# Altium PCB MB1272C_PMIC.PcbDoc (part 2 of 10) (continued)
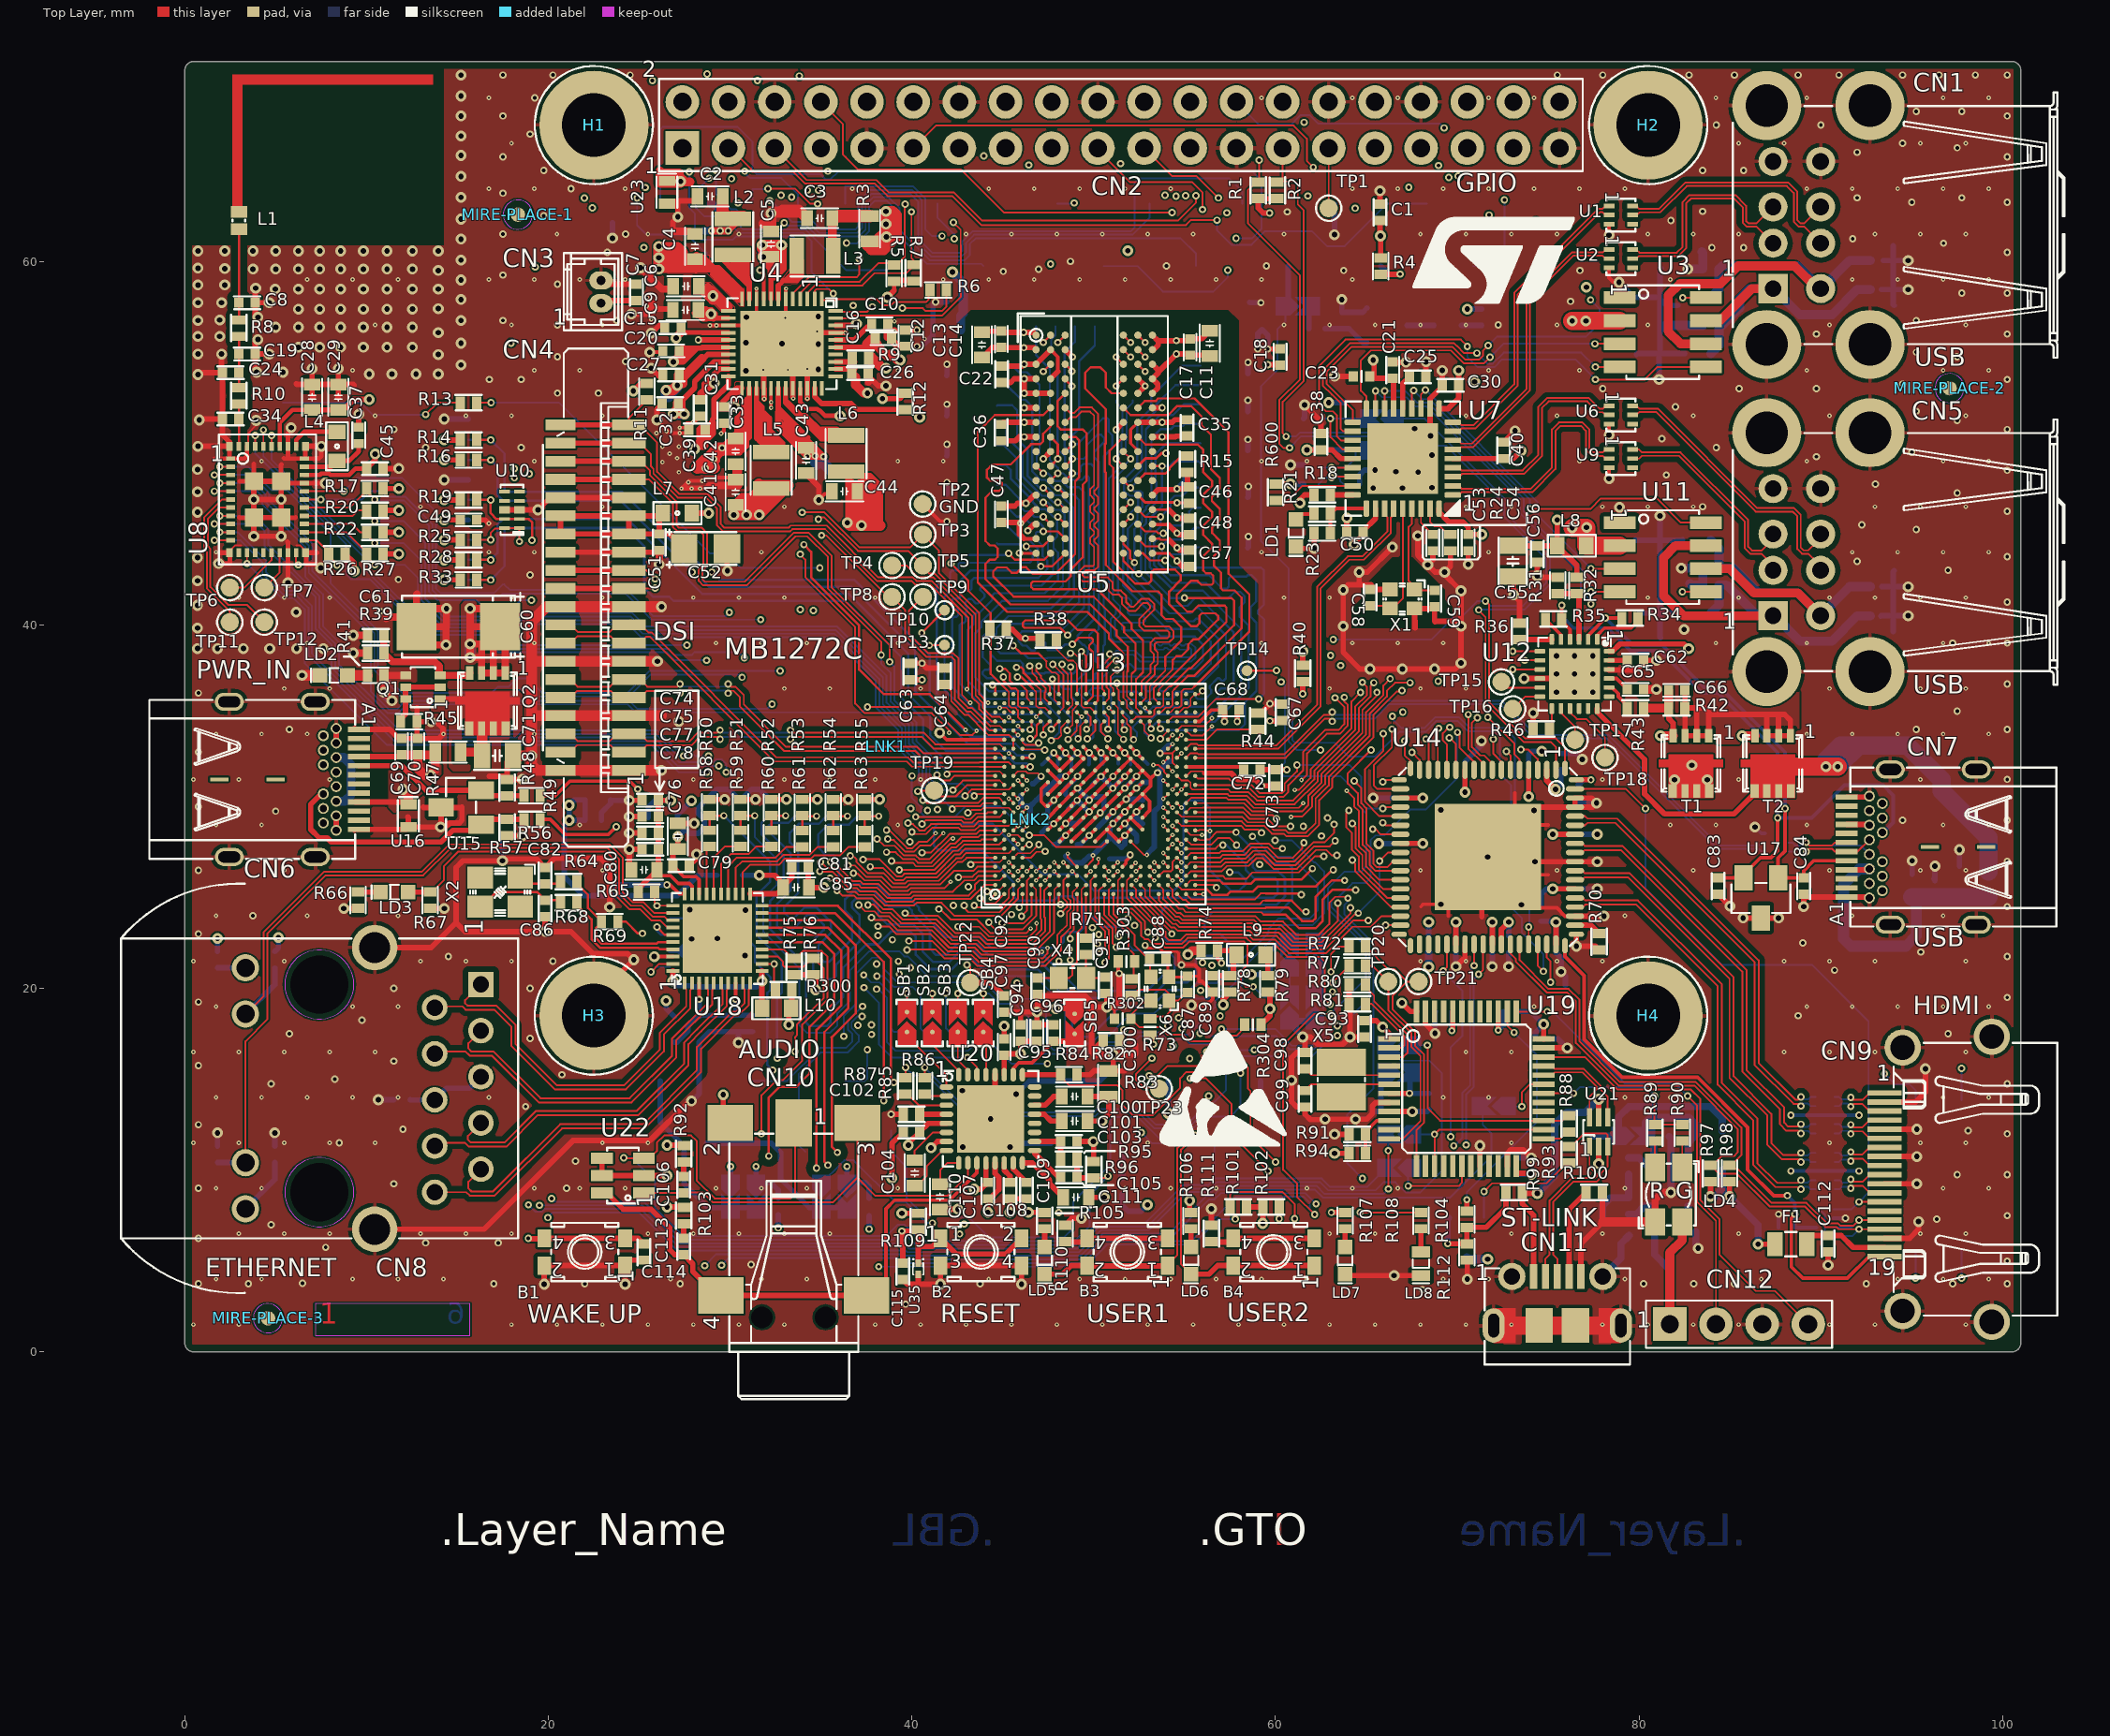
[diagram p0: Top Layer view]
## Part data (continued)
CN1 CN5: library part MCD-00109, "USB-Receptacle,Dual-Type-A, RA, TH, Height 15.5mm", Manufacturer=CONEXCON, Manufacturer_Part_Number=5600-3081, ComponentLink1Description=Datasheet, ComponentLink1URL=http://tunmcdsvn.tun.st.com/Component_Datasheet_Library/Trunk/Connectors/Conexcon_Dual_USB_TypeA_5600-3081, ECCN_EU=n/a, ECCN_US=n/a, Initial_Board_Reference=MB1262, Internal_Part_Number=MCD-00109, Part_Type=Connector, Provided_By=SUBCO, Status=Released
CN2: library part MCD-00302, "Header, 20x2, 2.54mm, VR, TH, Height 5.84mm/2.54mm", Manufacturer=SAMTEC, Manufacturer_Part_Number=TSW-120-07-G-D, ComponentLink1Description=Datasheet, ComponentLink1URL=http://tunmcdsvn.tun.st.com/Component_Datasheet_Library/Trunk/Connectors/Samtec_TSW-HTSW-series, ECCN_EU=n/a, ECCN_US=n/a, Initial_Board_Reference=mb1272, Internal_Part_Number=MCD-00302, Part_Type=Connector, Provided_By=SUBCO, Status=Checked
CN3: library part MCD-00655, "Header 2 circuits, 1.25mm Pitch ,  Vertical, with Friction Lock", Manufacturer=MOLEX, Manufacturer_Part_Number=53047-0210, ComponentLink1Description=Datasheet, ComponentLink1URL=http://tunmcdsvn.tun.st.com/Component_Datasheet_Library/Trunk/Connectors/Molex_SD530470210, ECCN_EU=n/a, ECCN_US=n/a, Initial_Board_Reference=MB1272, Internal_Part_Number=MCD-00655, Part_Type=Connector, Provided_By=SUBCO, Status="Footprint available"
CN4: library part MCD-01013, "Socket ,TEConn,FCC/FPC, 20pins, 1.0mm,SMT, ZIF Receptacle", Manufacturer="TE CONNECTIVITY", Manufacturer_Part_Number=2-1734248-0, ComponentLink1Description=Datasheet, ComponentLink1URL=http://tunmcdsvn.tun.st.com/Component_Datasheet_Library/Trunk/Connectors/TE_connectivity_FPC_1mm_vertical_2-1734248-0/TEconnectivity_FPC_1mm_vertical_2-1734248-0.pdf, ECCN_EU=n/a, ECCN_US=n/a, Initial_Board_Reference=MB1272, Internal_Part_Number=MCD-01013, Part_Type=Connector, Provided_By=SUBCO, Status=Checked
CN6 CN7: library part MCD-01108, "USB tyce C certified receptacle for 1.6mm pcb height", Manufacturer="CHANT SINCERE (COXOC)", Manufacturer_Part_Number=317JD24BZTF3K3C3, ComponentLink1Description=Datasheet, ComponentLink1URL=http://tunmcdsvn.tun.st.com/Component_Datasheet_Library/Trunk/Connectors/Chant%20sincere_usb%20type%20C%20connector%20317JD24BZTF3K3C3, ECCN_EU=NA, ECCN_US=NA, Initial_Board_Reference=MB1272, Internal_Part_Number=MCD-01108, Part_Type=Connector, Provided_By=SUBCO, Status=Released
CN8: library part MCD-01129, "Connector RJ45 with Gigabit magnetics and LED , led pull down", Manufacturer="YUAN DEAN SCIENTIFIC", Manufacturer_Part_Number=48F-01GYDXNL, ComponentLink1Description=Datasheet, ComponentLink1URL=http://tunmcdsvn.tun.st.com/Component_Datasheet_Library/Trunk/Connectors/YuanDean_RJ45_48Fseries/, ECCN_EU=n/a, ECCN_US=n/a, Initial_Board_Reference=MB1272, Internal_Part_Number=MCD-01129, Part_Type=Connector, Provided_By=SUBCO, Status="Footprint available"
CN9: library part MCD-00307, "HDMI Receptacle Type A 19pins standard Connector", Manufacturer=FCI, Manufacturer_Part_Number=10029449-001RLF, ComponentLink1Description=Datasheet, ComponentLink1URL="http://tunmcdsvn.tun.st.com/Component_Datasheet_Library/Trunk/Connectors/AMPHENOL_FCI _HDMI_10029449-001RLF", ECCN_EU=n/a, ECCN_US=n/a, Initial_Board_Reference=MB1272, Internal_Part_Number=MCD-00307, Part_Type=Connector, Provided_By=SUBCO, Status=Checked
CN10: library part MCD-00270, "Connector Jack socket Stereo 3.5mm, 4 pins, RA, SMT, Black", Alternate_Manufacturer=FARNELL, Alternate_Manufacturer_Part_Number=1368640, Manufacturer=LUMBERG, Manufacturer_Part_Number="1503 13 VP3", ComponentLink1Description=Datasheet, ComponentLink1URL="http://tunmcdsvn.tun.st.com/Component_Datasheet_Library/Trunk/Connectors/Lumberg_150313_Jack Connectors", Initial_Board_Reference=MB1272, Internal_Part_Number=MCD-00270, Part_Type=Connector, Provided_By=SUBCO, Status=Checked
CN11: library part MCD-00028, "USB-MICRO-B, 0.65mm, RA, SMT, Bottom Mount,", Manufacturer=MOLEX, Manufacturer_Part_Number=1050170001, ComponentLink1Description=Datasheet, ComponentLink1URL=http://tunmcdsvn.tun.st.com/Component_Datasheet_Library/Trunk/Connectors/Molex_Connector-USB-microB_105017-0001, ECCN_EU=n/a, ECCN_US=n/a, Initial_Board_Reference=mb1274, Internal_Part_Number=MCD-00028, Part_Type=Connector, Provided_By=SUBCO, Status=Released
CN12: library part MCD-00029, "Header, 4x1, 2,54mm, VR, TH, Height 5.84mm/2.54mm", Manufacturer=SAMTEC, Manufacturer_Part_Number=TSW-104-07-x-S, ComponentLink1Description=Datasheet, ComponentLink1URL=http://tunmcdsvn.tun.st.com/Component_Datasheet_Library/Trunk/Connectors/Samtec_TSW-HTSW-series, ECCN_EU=n/a, ECCN_US=n/a, Initial_Board_Reference=mb1274, Internal_Part_Number=MCD-00029, Part_Type=Connector, Provided_By=SUBCO, Status=Released
CN13: library part MCD-00301, "Socket, 10x1, 2.54mm, VR, SMT, Height 9.78mm", Manufacturer=SAMTEC, Manufacturer_Part_Number=SSW-110-22-L-S-VS, ComponentLink1Description=Datasheet, ComponentLink1URL=http://tunmcdsvn.tun.st.com/Component_Datasheet_Library/Trunk/Connectors/Samtec_SSW_smt_series, ECCN_EU=n/a, ECCN_US=n/a, Initial_Board_Reference=mb1272, Internal_Part_Number=MCD-00301, Part_Type=Connector, Provided_By=SUBCO, Status=Checked
CN14 CN16: library part MCD-00300, "Socket, 8x1, 2.54mm, VR, SMT, Height 9.78mm", Manufacturer=SAMTEC, Manufacturer_Part_Number=SSW-108-22-L-S-VS, ComponentLink1Description=Datasheet, ComponentLink1URL=http://tunmcdsvn.tun.st.com/Component_Datasheet_Library/Trunk/Connectors/Samtec_SSW_smt_series, ECCN_EU=n/a, ECCN_US=n/a, Initial_Board_Reference=mb1272, Internal_Part_Number=MCD-00300, Part_Type=Connector, Provided_By=SUBCO, Status=Checked
CN15: library part MCD-00023, "MicroSD Card Conn, Reversed-Type, Mnt Push-Push", Manufacturer=YAMAICHI, Manufacturer_Part_Number=PJS008-2003-1, ComponentLink1Description=Datasheet, ComponentLink1URL=http://tunmcdsvn.tun.st.com/Component_Datasheet_Library/Trunk/Connectors/Yamaichi_Connector_microSD-Card-PJS008-2003, ECCN_EU=n/a, ECCN_US=n/a, Initial_Board_Reference=mb1274, Internal_Part_Number=MCD-00023, Part_Type=Connector, Provided_By=SUBCO, Status=Released
CN17: library part MCD-00299, "Socket, 6x1, 2.54mm, VR, SMT, Height 9.78mm", Manufacturer=SAMTEC, Manufacturer_Part_Number=SSW-106-22-L-S-VS, ComponentLink1Description=Datasheet, ComponentLink1URL=http://tunmcdsvn.tun.st.com/Component_Datasheet_Library/Trunk/Connectors/Samtec_SSW_smt_series, ECCN_EU=n/a, ECCN_US=n/a, Initial_Board_Reference=mb1272, Internal_Part_Number=MCD-00299, Part_Type=Connector, Provided_By=SUBCO, Status=Checked
D1 D2: library part MCD-00034, "BAT60JFILM", Manufacturer=STMICROELECTRONICS, BMS_Part_Number=9151097, ComponentLink1Description=Datasheet, ComponentLink1URL=http://tunmcdsvn.tun.st.com/Component_Datasheet_Library/Trunk/Diodes/STM_Diode_BAT60JFILM-SOD323, ECCN_EU=NEC, ECCN_US=EAR99, Initial_Board_Reference=mb1274, Internal_Part_Number=MCD-00034, Manufacturer_Part_Number=BAT60JFILM, Part_Type=Diode, Provided_By="SUBCO with ST control", Status=Released
F1: library part MCD-01133, "Surface mount resettable polyswitch fuse.I hold=0.35A and I trigger=0.75A", Manufacturer="TE CONNECTIVITY", Manufacturer_Part_Number=picoSMDC035S, Package=0805, ComponentLink1Description=Datasheet, ComponentLink1URL=http://tunmcdsvn.tun.st.com/Component_Datasheet_Library/Trunk/Misc/TECONNECTIVITY_PTC_FUSE_PicoSMDCO35S, ECCN_EU=n/a, ECCN_US=n/a, Initial_Board_Reference=MB1272, Internal_Part_Number=MCD-01133, Part_Type=Misc, Provided_By=SUBCO, Status="Footprint available"
H1 H2 H3 H4: library part MCD-00035, "POSITION HOLE C6D3R5", Manufacturer=n/a, ComponentLink1Description=Datasheet, ECCN_EU=n/a, ECCN_US=n/a, Initial_Board_Reference=mb1274, Internal_Part_Number=MCD-00035, Manufacturer_Part_Number=n/a, Part_Type=Mechanical, Provided_By=n/a, Status=Released
L1: library part MCD-00657, "Inductor,2.4nH,+-0.2nH,0.05R,0.85A,0402", Manufacturer=MURATA, Manufacturer_Part_Number=LQW15AN2N4C00x, Package=L0402, ComponentLink1Description=Datasheet, ComponentLink1URL=http://tunmcdsvn.tun.st.com/Component_Datasheet_Library/Trunk/Inductors/Murata_inductor_LQW15AN2N4C00x_, ECCN_EU=n/a, ECCN_US=n/a, Initial_Board_Reference=MB1272, Internal_Part_Number=MCD-00657, Part_Type=Inductor, Provided_By=SUBCO, Status="Footprint available"
L2 L3 L5 L6: library part MCD-01122, "Power Inductor ,1µH,4.3A max,+-20%,0.042ohm,2520", Manufacturer=MURATA, Manufacturer_Part_Number=DFE252012P-1ROM=P2, Package=2520, ComponentLink1Description=Datasheet, ComponentLink1URL=http://tunmcdsvn.tun.st.com/Component_Datasheet_Library/Trunk/Inductors/Murata_Power_inductors_DFE252012P-1ROM=P2/Murata_Power_inductors_dfe252012p.pdf, ECCN_EU=EAR99, ECCN_US=EAR99, Initial_Board_Reference=MB1272, Internal_Part_Number=MCD-01122, Part_Type=Inductor, Provided_By=SUBCO, Status="Footprint available"
L4: library part MCD-00659, "Inductor, 2.2µH, 20%, Isat 0.35A, DCR 0.2Ohm, 0603", Manufacturer=MURATA, Manufacturer_Part_Number=LQM18PN2R2MGH, Package=L0603, ComponentLink1Description=Datasheet, ComponentLink1URL=http://tunmcdsvn.tun.st.com/Component_Datasheet_Library/Trunk/Inductors/Murata_inductor_LQM18PN2R2MGHx, ECCN_EU=n/a, ECCN_US=n/a, Initial_Board_Reference=MB1272, Internal_Part_Number=MCD-00659, Part_Type=Inductor, Provided_By=SUBCO, Status="Footprint available"
L7: library part MCD-00046, "SMD Chip ferrite bead, 30R@100MHz +/-30%, 5A, 10mohm DC, S (Standard) material, 0603, T=0.8mm", Manufacturer=TDK, Manufacturer_Part_Number=MPZ1608S300A, ComponentLink1Description=Datasheet, ComponentLink1URL=http://tunmcdsvn.tun.st.com/Component_Datasheet_Library/Trunk/Inductors/TDK_Beads_MPZ-series, ECCN_EU=n/a, ECCN_US=n/a, Initial_Board_Reference=MB1274, Internal_Part_Number=MCD-00046, Part_Type=Inductor, Provided_By=SUBCO, Status=Released
L8: library part MCD-00305, "Bead,26R at 100Mhz,6A,0603", Manufacturer=MURATA, Manufacturer_Part_Number=BLM18KG260TN1, ComponentLink1Description=Datasheet, ComponentLink1URL=http://tunmcdsvn.tun.st.com/Component_Datasheet_Library/Trunk/Inductors/Murata_EMI_Filters_BLM, ECCN_EU=n/a, ECCN_US=n/a, Initial_Board_Reference=MB1272, Internal_Part_Number=MCD-00305, Part_Type=Inductor, Provided_By=SUBCO, Status=Checked
L9: library part MCD-01134, "IND 4.7µH 20% 80mA 600mhom 0603", Manufacturer=MURATA, Package=0603, ComponentLink1Description=Datasheet, ComponentLink1URL=http://tunmcdsvn.tun.st.com/Component_Datasheet_Library/Trunk/Inductors/Murata_inductor_LQM18FN4R7M00D, ECCN_EU=n/a, ECCN_US=n/a, Initial_Board_Reference=MB1272, Internal_Part_Number=MCD-01134, Manufacturer_Part_Number=LQM18FN4R7M00D, Part_Type=Inductor, Provided_By=SUBCO, Status="Footprint available"
L10 L11: library part MCD-00094, "Ferrite bead 100R 2A 0603", Manufacturer=MURATA, Manufacturer_Part_Number=BLM18EG101TN1, ComponentLink1Description=Datasheet, ComponentLink1URL=http://tunmcdsvn.tun.st.com/Component_Datasheet_Library/Trunk/Inductors/Murata_EMI_Filters_BLM, ECCN_EU=NEC, ECCN_US=EAR99, Initial_Board_Reference=mb1262, Internal_Part_Number=MCD-00094, Part_Type=Inductor, Provided_By=SUBCO, Status=Released
LD1 LD6: library part MCD-00049, "LED, Red, 0603", Manufacturer=EVERLIGHT, Manufacturer_Part_Number=19-213-R6C-AP1Q2B/3T, Package="LED 0603", ComponentLink1Description=Datasheet, ComponentLink1URL=http://tunmcdsvn.tun.st.com/Component_Datasheet_Library/Trunk/Display/Everlight_SMD-LED-RED_19-213-R6C-AP1Q2B-3T-V3.doc, ECCN_EU=NEC, ECCN_US=EAR99, Internal_Part_Number=MCD-00049, Part_Type=Display, Provided_By=SUBCO, Status=Released
  LD1: Initial_Board_Reference=MB1274
  LD6: Initial_Board_Reference=mb1274
LD2 LD3 LD5 LD9: library part MCD-00050, "LED, Green, 0603", Manufacturer=EVERLIGHT, Manufacturer_Part_Number=19-213SYGC/S530-E2/TR8, Package="LED 0603", ComponentLink1Description=Datasheet, ComponentLink1URL=http://tunmcdsvn.tun.st.com/Component_Datasheet_Library/Trunk/Display/Everlight_SMD-LED-GREEN_19-213SYGC-S530-XX-TR8-v3.doc, ECCN_EU=NEC, ECCN_US=EAR99, Initial_Board_Reference=mb1274, Internal_Part_Number=MCD-00050, Part_Type=Display, Provided_By=SUBCO, Status=Released
LD4: library part MCD-00051, "LED Bicolor", Alternate_Manufacturer=EVERLUCK, Alternate_Manufacturer_Part_Number=LE-RGW35280, Manufacturer="AVAGO TECHNOLOGIES", Manufacturer_Part_Number=HSMF-A201-A00J1, ComponentLink1Description=Datasheet, ComponentLink1URL=http://tunmcdsvn.tun.st.com/Component_Datasheet_Library/Trunk/Display/Avago_LED-SMC_HSMx-A2xx-02Feb2012, ECCN_EU=NEC, ECCN_US=EAR99, Initial_Board_Reference=mb1274, Internal_Part_Number=MCD-00051, Part_Type=Display, Provided_By=SUBCO, Status=Released
LD7: library part MCD-00321, "LED, Orange, 0603", Manufacturer=EVERLIGHT, Manufacturer_Part_Number=19-217/S2C-AM2N2VY/3T, Package="LED 0603", ComponentLink1Description=Datasheet, ComponentLink1URL=http://tunmcdsvn.tun.st.com/Component_Datasheet_Library/Trunk/Display/Everlight_SMD-LED-Orange_19-217-S2C-AM2N2VY-3T_V1, ECCN_EU=NEC, ECCN_US=EAR99, Initial_Board_Reference=MB1311, Internal_Part_Number=MCD-00321, Part_Type=Display, Provided_By=SUBCO, Status=Released
LD8: library part MCD-01131, "LED Blue, 0603 SMD, Forward Voltage Min=2,8V, Max=3,1V", Manufacturer=EVERLIGHT, Manufacturer_Part_Number=19-217-BHC-ZL1M2RY-3T, Package=0603, ComponentLink1Description=Datasheet, ComponentLink1URL=http://tunmcdsvn.tun.st.com/Component_Datasheet_Library/Trunk/Display/Everlight_SMD-LED-BLUE_19-213BHC-ZK1L2B11X-3T/Everlight_SMD-LED-BLUE_19-217-BHC-ZL1M2RY-3T-V4.pdf, ECCN_EU=n/a, ECCN_US=n/a, Initial_Board_Reference=MB1272, Internal_Part_Number=MCD-01131, Part_Type=Display, Provided_By=SUBCO, Status="Footprint available"
LE1: library part MCD-00048, "FIXED IND 4.7UH 1A 180 MOHM 30% SMD", Manufacturer=MURATA, Manufacturer_Part_Number=LQH32PN4R7NN0L, ComponentLink1Description=Datasheet, ComponentLink1URL=http://tunmcdsvn.tun.st.com/Component_Datasheet_Library/Trunk/Inductors/Murata_Inductor_LQH32PN4R7NN0L, ECCN_EU=n/a, ECCN_US=n/a, Initial_Board_Reference=mb1274, Internal_Part_Number=MCD-00048, Part_Type=Inductor, Provided_By=SUBCO, Status=Released
LNK1 LNK2: "link 0.2mm"
Q1: library part MCD-01120, "Transistor 45V Matched Pair PNP small Signal transistor in SOT363", Alternate_Manufacturer=ONSEMI, Alternate_Manufacturer_Part_Number=NST45010MW6T1G, Manufacturer=DIODES_INC, Manufacturer_Part_Number=BCM857BS7F, Package=SOT363, ComponentLink1Description=Datasheet, ComponentLink1URL=http://tunmcdsvn.tun.st.com/Component_Datasheet_Library/Trunk/IC/DIODES_INC_Dual_PNP_Transistors_BCM857BS7F/DIODES_INC_Dual_PNP_Transistors_BCM857BS7F.pdf, Initial_Board_Reference=MB1272, Internal_Part_Number=MCD-01120, Part_Type=IC, Provided_By=SUBCO, Status=Checked
Q2 T1 T2: library part MCD-01126, "Power Mosfet, P-channel,VDS -30V,RDS 12mohm typ,ID -9A", Manufacturer=STMICROELECTRONICS, Manufacturer_Part_Number=STL9P3LLH6, Package="PowerFLAT 3.3x3.3", ComponentLink1Description=Datasheet, ComponentLink1URL=http://tunmcdsvn.tun.st.com/Component_Datasheet_Library/Trunk/IC/STM_POWER_MOSFET_P_STL9P3LLH6, ECCN_EU=NEC, ECCN_US=EAR99, Initial_Board_Reference=MB1272, Internal_Part_Number=MCD-01126, Part_Type=IC, Provided_By="SUBCO with ST control", Status=Checked
R1 R2 R5 R7 R65 R75 R76 R93 R166 R167: library part MCD-00068, "Resistor,1K5,0402,1%,1/16W", Manufacturer=YAGEO, Manufacturer_Part_Number=RC0402FR-071K5L, Package=R0402, ComponentLink1Description=Datasheet, ComponentLink1URL=http://tunmcdsvn.tun.st.com/Component_Datasheet_Library/Trunk/Resistors/Yageo_Resistor_RC0402-series, ECCN_EU=n/a, ECCN_US=n/a, Initial_Board_Reference=mb1274, Internal_Part_Number=MCD-00068, Part_Type=Resistor, Provided_By=SUBCO, Status=Released
R3 R47 R150: library part MCD-00181, "Resistor,0R,0603,ULO", Manufacturer=ROHM, Manufacturer_Part_Number=PMR03EZPJ000, Package=R0603, ComponentLink1Description=Datasheet, ComponentLink1URL=http://tunmcdsvn.tun.st.com/Component_Datasheet_Library/Trunk/Resistors/ROHM_ULtra_low_Ohmic_Resistor_PMR10EZPJ000, ECCN_EU=n/a, ECCN_US=n/a, Internal_Part_Number=MCD-00181, Part_Type=Resistor, Provided_By=SUBCO, Status=Released
R4 R6 R8 R9 R10 R13 R31 R32 R34 R35 R36 R46 R58 R59 R64 R68 R71 R72 R73 R74 R77 R78 R79 R85 R86 R152 R154 R158 R165: library part MCD-00052, "Resistor,0R,0402,5%,1/16W", Manufacturer=YAGEO, Manufacturer_Part_Number=RC0402JR-070RL, Package=R0402, ComponentLink1Description=Datasheet, ComponentLink1URL=http://tunmcdsvn.tun.st.com/Component_Datasheet_Library/Trunk/Resistors/Yageo_Resistor_RC0402-series, ECCN_EU=n/a, ECCN_US=n/a, Internal_Part_Number=MCD-00052, Part_Type=Resistor, Provided_By=SUBCO, Status=Released
  R4 R6 R9 R13 R58 R59 R64 R68 R71 R72 R73 R77 R85 R86 R152 R154 R158 R165: Initial_Board_Reference=mb1274
  R8 R10 R31 R32 R34 R35 R36 R46 R74 R78: Initial_Board_Reference=MB1274
  R79: Fitted=NO, Initial_Board_Reference=MB1274
R11 R18 R19 R37 R40 R42 R80 R81 R84 R87 R96 R99 R109 R136 R164 R300 R302 R303 R600: library part MCD-00053, "Resistor,10K,0402,1%,1/16W", Manufacturer=YAGEO, Manufacturer_Part_Number=RC0402FR-0710KL, Package=R0402, ComponentLink1Description=Datasheet, ComponentLink1URL=http://tunmcdsvn.tun.st.com/Component_Datasheet_Library/Trunk/Resistors/Yageo_Resistor_RC0402-series, ECCN_EU=n/a, ECCN_US=n/a, Internal_Part_Number=MCD-00053, Part_Type=Resistor, Provided_By=SUBCO, Status=Released
  R11 R19 R80 R81 R84 R87 R96 R99 R109: Initial_Board_Reference=mb1274
  R18 R37 R40 R42 R136 R164 R300 R302 R303 R600: Initial_Board_Reference=MB1274
R12 R14 R16 R17 R20 R22 R25 R26 R27 R28 R33 R39 R45 R49 R56 R120: library part MCD-00063, "Resistor,47K,0402,1%,1/16W", Manufacturer=YAGEO, Manufacturer_Part_Number=RC0402FR-0747KL, Package=R0402, ComponentLink1Description=Datasheet, ComponentLink1URL=http://tunmcdsvn.tun.st.com/Component_Datasheet_Library/Trunk/Resistors/Yageo_Resistor_RC0402-series, ECCN_EU=n/a, ECCN_US=n/a, Internal_Part_Number=MCD-00063, Part_Type=Resistor, Provided_By=SUBCO, Status=Released
  R12 R17 R20 R22 R26 R27 R39 R45 R49 R56: Initial_Board_Reference=MB1274
  R14 R16 R25 R28 R33 R120: Initial_Board_Reference=mb1274
R15 R38: library part MCD-00120, "Resistor,240R,0402,1%,1/16W", Manufacturer=YAGEO, Manufacturer_Part_Number=RC0402FR-07240RL, Package=R0402, ComponentLink1Description=Datasheet, ComponentLink1URL=http://tunmcdsvn.tun.st.com/Component_Datasheet_Library/Trunk/Resistors/Yageo_Resistor_RC0402-series, ECCN_EU=n/a, ECCN_US=n/a, Initial_Board_Reference=mb1262, Internal_Part_Number=MCD-00120, Part_Type=Resistor, Provided_By=SUBCO, Status=Released
R21 R43 R82 R101 R102 R106: library part MCD-00061, "Resistor,1K,0402,1%,1/16W", Manufacturer=YAGEO, Manufacturer_Part_Number=RC0402FR-071KL, Package=R0402, ComponentLink1Description=Datasheet, ComponentLink1URL=http://tunmcdsvn.tun.st.com/Component_Datasheet_Library/Trunk/Resistors/Yageo_Resistor_RC0402-series, ECCN_EU=n/a, ECCN_US=n/a, Internal_Part_Number=MCD-00061, Part_Type=Resistor, Provided_By=SUBCO, Status=Released
  R21 R43 R82: Initial_Board_Reference=MB1274
  R101 R102 R106: Initial_Board_Reference=mb1274
R23 R100 R119 R127 R129 R134 R137 R139 R140 R159 R161: library part MCD-00059, "Resistor,100K,0402,1%,1/16W", Alternate_Manufacturer=YAGEO, Alternate_Manufacturer_Part_Number=RT0402FRE07100KL, Manufacturer_Part_Number=RC0402FR-07100KL, Package=R0402, ComponentLink1Description=Datasheet, ComponentLink1URL=http://tunmcdsvn.tun.st.com/Component_Datasheet_Library/Trunk/Resistors/Yageo_Resistor_RC0402-series, ECCN_EU=n/a, ECCN_US=n/a, Internal_Part_Number=MCD-00059, Manufacturer=YAGEO, Part_Type=Resistor, Provided_By=SUBCO, Status=Released
  R23 R127 R129 R134 R137 R139 R140: Initial_Board_Reference=MB1274
  R100 R119 R159 R161: Initial_Board_Reference=mb1274
R24: library part MCD-00187, "Resistor,12K,0402,1%,1/16W", Manufacturer=YAGEO, Manufacturer_Part_Number=RC0402FR-0712KL, Package=R0402, ComponentLink1Description=Datasheet, ComponentLink1URL=http://tunmcdsvn.tun.st.com/Component_Datasheet_Library/Trunk/Resistors/Yageo_Resistor_RC0402-series, ECCN_EU=n/a, ECCN_US=n/a, Internal_Part_Number=MCD-00187, Part_Type=Resistor, Provided_By=SUBCO, Status=Released
R41 R89 R90 R105: library part MCD-00062, "Resistor,330R,0402,1%,1/16W", Manufacturer=YAGEO, Manufacturer_Part_Number=RC0402FR-07330RL, Package=R0402, ComponentLink1Description=Datasheet, ComponentLink1URL=http://tunmcdsvn.tun.st.com/Component_Datasheet_Library/Trunk/Resistors/Yageo_Resistor_RC0402-series, ECCN_EU=n/a, ECCN_US=n/a, Initial_Board_Reference=mb1274, Internal_Part_Number=MCD-00062, Part_Type=Resistor, Provided_By=SUBCO, Status=Released
R44: library part MCD-00185, "Resistor,3K,0402,1%,1/16W", Manufacturer=YAGEO, Manufacturer_Part_Number=RC0402FR-073KL, Package=R0402, ComponentLink1Description=Datasheet, ComponentLink1URL=http://tunmcdsvn.tun.st.com/Component_Datasheet_Library/Trunk/Resistors/Yageo_Resistor_RC0402-series, ECCN_EU=n/a, ECCN_US=n/a, Internal_Part_Number=MCD-00185, Part_Type=Resistor, Provided_By=SUBCO, Status=Released
R48 R57 R70: library part MCD-00333, "Resistor,5K1,0402,1%,1/16W", Manufacturer=YAGEO, Manufacturer_Part_Number=RC0402FR-075K1L, Package=R0402, ComponentLink1Description=Datasheet, ComponentLink1URL=http://tunmcdsvn.tun.st.com/Component_Datasheet_Library/Trunk/Resistors/Yageo_Resistor_RC0402-series, ECCN_EU=n/a, ECCN_US=n/a, Internal_Part_Number=MCD-00333, Part_Type=Resistor, Provided_By=SUBCO, Status=Released
  R48 R57: Initial_Board_Reference=MB1272
  R70: Initial_Board_Reference=mb1272
R50 R51 R52 R53 R54 R55 R67 R91 R94 R149 R156 R163: library part MCD-00065, "Resistor,4K7,0402,1%,1/16W", Alternate_Manufacturer=YAGEO, Alternate_Manufacturer_Part_Number=RT0402FRE074K7L, Manufacturer_Part_Number=RC0402FR-074K7L, Package=R0402, ComponentLink1Description=Datasheet, ComponentLink1URL=http://tunmcdsvn.tun.st.com/Component_Datasheet_Library/Trunk/Resistors/Yageo_Resistor_RC0402-series, ECCN_EU=n/a, ECCN_US=n/a, Initial_Board_Reference=mb1274, Internal_Part_Number=MCD-00065, Manufacturer=YAGEO, Part_Type=Resistor, Provided_By=SUBCO, Status=Released
R60 R61 R62 R63 R69 R153: library part MCD-00189, "Resistor,22R,0402,1%,1/16W", Manufacturer=YAGEO, Manufacturer_Part_Number=RC0402FR-0722RL, Package=R0402, ComponentLink1Description=Datasheet, ComponentLink1URL=http://tunmcdsvn.tun.st.com/Component_Datasheet_Library/Trunk/Resistors/Yageo_Resistor_RC0402-series, ECCN_EU=n/a, ECCN_US=n/a, Internal_Part_Number=MCD-00189, Part_Type=Resistor, Provided_By=SUBCO, Status=Released
R66 R114 R157 R162: library part MCD-00064, "Resistor,510R,0402,1%,1/16W", Manufacturer=YAGEO, Manufacturer_Part_Number=RC0402FR-07510RL, Package=R0402, ComponentLink1Description=Datasheet, ComponentLink1URL=http://tunmcdsvn.tun.st.com/Component_Datasheet_Library/Trunk/Resistors/Yageo_Resistor_RC0402-series, ECCN_EU=n/a, ECCN_US=n/a, Initial_Board_Reference=mb1274, Internal_Part_Number=MCD-00064, Part_Type=Resistor, Provided_By=SUBCO, Status=Released
R83 R151 R160: library part MCD-00056, "Resistor,0R,0603,5%,1/10W", Manufacturer=YAGEO, Manufacturer_Part_Number=RC0603JR-070RL, Package=R0603, ComponentLink1Description=Datasheet, ComponentLink1URL=http://tunmcdsvn.tun.st.com/Component_Datasheet_Library/Trunk/Resistors/Yageo_Resistor_RC0603-series, ECCN_EU=n/a, ECCN_US=n/a, Initial_Board_Reference=mb1274, Internal_Part_Number=MCD-00056, Part_Type=Resistor, Provided_By=SUBCO, Status=Released
R88 R104 R110 R111 R125: library part MCD-00067, "Resistor,100R,0402,1%,1/16W", Manufacturer=YAGEO, Manufacturer_Part_Number=RC0402FR-07100RL, Package=R0402, ComponentLink1Description=Datasheet, ComponentLink1URL=http://tunmcdsvn.tun.st.com/Component_Datasheet_Library/Trunk/Resistors/Yageo_Resistor_RC0402-series, ECCN_EU=n/a, ECCN_US=n/a, Internal_Part_Number=MCD-00067, Part_Type=Resistor, Provided_By=SUBCO, Status=Released
  R88 R104 R110 R111: Initial_Board_Reference=mb1274
  R125: Initial_Board_Reference=MB1274
R92 R103: library part MCD-00485, "Resistor,51R,0402,1%,1/16W", Manufacturer=YAGEO, Manufacturer_Part_Number=RC0402FR-0751RL, Package=R0402, ComponentLink1Description=Datasheet, ComponentLink1URL=http://tunmcdsvn.tun.st.com/Component_Datasheet_Library/Trunk/Resistors/Yageo_Resistor_RC0402-series, ECCN_EU=n/a, ECCN_US=n/a, Internal_Part_Number=MCD-00485, Part_Type=Resistor, Provided_By=SUBCO, Status=Released
R95 R97 R98: library part MCD-00057, "Resistor,2K2,0402,1%,1/16W", Manufacturer=YAGEO, Manufacturer_Part_Number=RC0402FR-072K2L, Package=R0402, ComponentLink1Description=Datasheet, ComponentLink1URL=http://tunmcdsvn.tun.st.com/Component_Datasheet_Library/Trunk/Resistors/Yageo_Resistor_RC0402-series, ECCN_EU=n/a, ECCN_US=n/a, Initial_Board_Reference=mb1274, Internal_Part_Number=MCD-00057, Part_Type=Resistor, Provided_By=SUBCO, Status=Released
R107 R108: library part MCD-00507, "Resistor,680R,0402,1%,1/16W", Manufacturer=YAGEO, Manufacturer_Part_Number=RC0402FR-07680RL, Package=R0402, ComponentLink1Description=Datasheet, ComponentLink1URL=http://tunmcdsvn.tun.st.com/Component_Datasheet_Library/Trunk/Resistors/Yageo_Resistor_RC0402-series, ECCN_EU=n/a, ECCN_US=n/a, Internal_Part_Number=MCD-00507, Part_Type=Resistor, Provided_By=SUBCO, Status=Released
R112: library part MCD-00069, "Resistor,36K,0402,1%,1/16W", Manufacturer=YAGEO, Manufacturer_Part_Number=RC0402FR-0736KL, Package=R0402, ComponentLink1Description=Datasheet, ComponentLink1URL=http://tunmcdsvn.tun.st.com/Component_Datasheet_Library/Trunk/Resistors/Yageo_Resistor_RC0402-series, ECCN_EU=n/a, ECCN_US=n/a, Initial_Board_Reference=mb1274, Internal_Part_Number=MCD-00069, Part_Type=Resistor, Provided_By=SUBCO, Status=Released
R115 R116 R117 R118 R121 R122 R123 R124 R126 R128 R130 R131 R132 R133 R135 R138 R141 R142 R143 R144 R145 R146 R147 R148: library part MCD-00118, "Resistor,56R,0402,1%,1/16W", Manufacturer=YAGEO, Manufacturer_Part_Number=RC0402FR-0756RL, Package=R0402, ComponentLink1Description=Datasheet, ComponentLink1URL=http://tunmcdsvn.tun.st.com/Component_Datasheet_Library/Trunk/Resistors/Yageo_Resistor_RC0402-series, ECCN_EU=n/a, ECCN_US=n/a, Initial_Board_Reference=mb1262, Internal_Part_Number=MCD-00118, Part_Type=Resistor, Provided_By=SUBCO, Status=Released
R155: library part MCD-00183, "Resistor,2K49,0402,1%,1/16W", Manufacturer=YAGEO, Manufacturer_Part_Number=RC0402FR-072K49L, Package=R0402, ComponentLink1Description=Datasheet, ComponentLink1URL=http://tunmcdsvn.tun.st.com/Component_Datasheet_Library/Trunk/Resistors/Yageo_Resistor_RC0402-series, ECCN_EU=n/a, ECCN_US=n/a, Internal_Part_Number=MCD-00183, Part_Type=Resistor, Provided_By=SUBCO, Status=Released
R304: library part MCD-00358, "Resistor,10R,0402,1%,1/16W", Manufacturer=YAGEO, Manufacturer_Part_Number=RC0402FR-0710RL, Package=R0402, ComponentLink1Description=Datasheet, ComponentLink1URL=http://tunmcdsvn.tun.st.com/Component_Datasheet_Library/Trunk/Resistors/Yageo_Resistor_RC0402-series, Internal_Part_Number=MCD-00358, Part_Type=Resistor, Provided_By=SUBCO, Status=Released
SB1 SB2 SB3 SB4 SB5 SB6 SB9 SB10 SB17 SB19 SB20 SB21 SB22 SB23 SB24 SB25 SB26: library part MCD-00071, "Solder Bridge ON", Manufacturer=YAGEO, Manufacturer_Part_Number=RC0603JR-070RL, Package=SB0603, ComponentLink1Description=Datasheet, ComponentLink1URL=http://tunmcdsvn.tun.st.com/Component_Datasheet_Library/Trunk/Resistors/Yageo_Resistor_RC0603-series, ECCN_EU=n/a, ECCN_US=n/a, Internal_Part_Number=MCD-00071, Part_Type=Mechanical, Provided_By=SUBCO, Status=Released
  SB1 SB2 SB3 SB4 SB5 SB6 SB9 SB10 SB17 SB19 SB20 SB21 SB22 SB24 SB26: Initial_Board_Reference=mb1274
  SB23 SB25: Initial_Board_Reference=MB1274
SB7 SB8 SB11 SB12 SB13 SB14 SB15 SB16 SB18: library part MCD-00072, "Solder Bridge OFF", Manufacturer=YAGEO, Manufacturer_Part_Number=RC0603JR-070RL, Package=SB0603, ComponentLink1Description=Datasheet, ComponentLink1URL=http://tunmcdsvn.tun.st.com/Component_Datasheet_Library/Trunk/Resistors/Yageo_Resistor_RC0603-series, ECCN_EU=n/a, ECCN_US=n/a, Internal_Part_Number=MCD-00072, Part_Type=Mechanical, Provided_By=SUBCO, Status=Released
  SB7 SB8: Initial_Board_Reference=MB1274
  SB11 SB12 SB13 SB14 SB15 SB16 SB18: Initial_Board_Reference=mb1274
SW1: library part MCD-00658, "Dip Switch ,2Position ,Surface Mount Slide (Standard) ,2.54 pitch,25mA 24VDC", Manufacturer=C&K, Manufacturer_Part_Number=SDA02H1SBD, Package=DIP, ComponentLink1Description=Datasheet, ComponentLink1URL=http://tunmcdsvn.tun.st.com/Component_Datasheet_Library/Trunk/Misc/CK_switch_dip_sda_series, ECCN_EU=n/a, ECCN_US=n/a, Initial_Board_Reference=MB1272, Internal_Part_Number=MCD-00658, Part_Type=Misc, Provided_By=SUBCO, Status="Footprint available"
T3 T4: library part MCD-00073, "NPN Bipolar Transistor", Alternate_Manufacturer="ON SEMICONDUCTOR", Alternate_Manufacturer_Part_Number="MMBT2222ALT1G / MMBT2222ALT3G", Manufacturer_Part_Number=BSR14, ComponentLink1Description=Datasheet, ComponentLink1URL=http://tunmcdsvn.tun.st.com/Component_Datasheet_Library/Trunk/IC/NXP_Transistor_BSR14, ECCN_EU=NEC, ECCN_US=EAR99, Initial_Board_Reference=mb1274, Internal_Part_Number=MCD-00073, Manufacturer="ON SEMICONDUCTOR", Part_Type=IC, Provided_By=SUBCO, Status=Released
TP1 TP2 TP3 TP4 TP5 TP6 TP7 TP8 TP9 TP11 TP12 TP15 TP16 TP17 TP18 TP19 TP20 TP21 TP22 TP23: library part MCD-00074, "Test Point 1mm", Manufacturer=n/a, ComponentLink1Description=Datasheet, ComponentLink1URL=http://na, ECCN_EU=n/a, ECCN_US=n/a, Initial_Board_Reference=MB1274, Internal_Part_Number=MCD-00074, Manufacturer_Part_Number=n/a, Part_Type=Mechanical, Provided_By=n/a, Status=Released
TP10 TP13 TP14 TP24 TP25 TP26 TP27 TP28 TP29: library part MCD-00631, "Test Point 0.6mm", ComponentLink1Description=Datasheet, ECCN_EU=n/a, ECCN_US=n/a, Internal_Part_Number=MCD-00631, Part_Type=Mechanical, Provided_By=n/a, Status=Released
  TP10 TP13 TP14: Initial_Board_Reference=mb1264
  TP24 TP25 TP26 TP27 TP28 TP29: Initial_Board_Reference=MB1264
U1 U2 U6 U9 U29: library part MCD-00649, "Common mode filter with ESD protection for USB 2.0 interface", Manufacturer=STMICROELECTRONICS, Manufacturer_Part_Number=ECMF02-2AMX6, BMS_Part_Number=9151138, ComponentLink1Description=Datasheet, ComponentLink1URL=http://tunmcdsvn.tun.st.com/Component_Datasheet_Library/Trunk/Diodes/STM_ESD_ECMF02-2AMX6, ECCN_EU=NEC, ECCN_US=EAR99, Initial_Board_Reference=MB1248, Internal_Part_Number=MCD-00649, Part_Type=Diode, Provided_By="SUBCO with ST control", Status=Released
U3 U11: library part MCD-00123, "IC,Dual-Channel-Power-Switch,500mA,100mR,SO8", Manufacturer=STMICROELECTRONICS, BMS_Part_Number=9159012, ComponentLink1Description=Datasheet, ComponentLink1URL=http://tunmcdsvn.tun.st.com/Component_Datasheet_Library/Trunk/IC/STM_PWR_switch_STMPS2252MTR, ECCN_EU=NEC, ECCN_US=EAR99, Initial_Board_Reference=MB1262, Internal_Part_Number=MCD-00123, Manufacturer_Part_Number=STMPS2252MTR, Part_Type=IC, Provided_By="SUBCO with ST control", Status=Released
U4: library part MCD-00303, "STM PMIC WFQFN 5.0x6.0x0.80 44L 0.4 pitch", Manufacturer=STMICROELECTRONICS, Manufacturer_Part_Number=STPMU1APQR, BMS_Part_Number=9177718, ComponentLink1Description=Datasheet, ComponentLink1URL=http://tunmcdsvn.tun.st.com/Component_Datasheet_Library/Trunk/IC/STM_PMIC_LuftBurg_5x6_44L_20_01_2016, ECCN_EU=n/a, ECCN_US=n/a, Initial_Board_Reference=MB1263, Internal_Part_Number=MCD-00303, Part_Type=IC, Provided_By="SUBCO with ST control", Status=Checked
U5: library part MCD-00207, "Memory,DDR3L,4Gb,256Mbx16,1866MT/s,1V35,FBGA96", Manufacturer=MICRON, Manufacturer_Part_Number=MT41K256M16TW-107-P-V00H, ComponentLink1Description=Datasheet, ComponentLink1URL=http://tunmcdsvn.tun.st.com/Component_Datasheet_Library/Trunk/IC/Micron_4Gb_DDR3L_MT41K256M16TW-107P-V00H, ECCN_EU=n/a, ECCN_US=n/a, Initial_Board_Reference=MB1263, Internal_Part_Number=MCD-00207, Part_Type=IC, Provided_By=SUBCO, Status=Released
U7: library part MCD-00145, "USB HUB 2,0 Controller", Manufacturer=MICROCHIP, ComponentLink1Description=Datasheet, ComponentLink1URL="http://tunmcdsvn.tun.st.com/Component_Datasheet_Library/Trunk/IC/Microchip_HS Hub Controller_USB2514B-AEZC", ECCN_EU=NEC, ECCN_US=EAR99, Initial_Board_Reference=MB1262, Internal_Part_Number=MCD-00145, Manufacturer_Part_Number=USB2514B-AEZC, Part_Type=IC, Provided_By=SUBCO, Status=Released
U8: library part MCD-00268, "IEEE802.11b/g/n W-LAN + Bluetooth 4.1+EDR module", Manufacturer=MURATA, ComponentLink1Description=Datasheet, ComponentLink1URL=http://tunmcdsvn.tun.st.com/Component_Datasheet_Library/Trunk/IC/MURATA_LBEE5KL1DX_wifi_BLE, ECCN_US=5A992C, Initial_Board_Reference=MB1272, Internal_Part_Number=MCD-00268, Manufacturer_Part_Number=LBEE5KL1DX-883, Part_Type=IC, Provided_By=SUBCO, Status=Checked
U10 U26: library part MCD-00667, "4-line ESD protection for high speed lines", Manufacturer=STMICROELECTRONICS, Package=uQFN-10L, BMS_Part_Number=9179041, ComponentLink1Description=Datasheet, ComponentLink1URL=http://tunmcdsvn.tun.st.com/Component_Datasheet_Library/Trunk/Diodes/STM_ESD_HSP051-4M10, ECCN_EU=NEC, ECCN_US=EAR99, Initial_Board_Reference=MB1331, Internal_Part_Number=MCD-00667, Manufacturer_Part_Number=HSP051-4M10, Part_Type=Diode, Provided_By="SUBCO with ST control", Status=Checked
U12: library part MCD-00676, "USB Type-C controller with VCONN switch", Manufacturer=STMICROELECTRONICS, Manufacturer_Part_Number=STUSB1600AQTR, BMS_Part_Number=9158053, ComponentLink1Description=Datasheet, ComponentLink1URL=http://tunmcdsvn.tun.st.com/Component_Datasheet_Library/Trunk/IC/STM_usbtypeC_controller_STUSB1600, ECCN_EU=n/a, ECCN_US=n/a, Initial_Board_Reference=MB1272, Internal_Part_Number=MCD-00676, Part_Type=IC, Provided_By="SUBCO with ST control", Status="Footprint available"
U13: library part MCD-00677, "MPU TFBGA12x12 secure boot+crypto", Manufacturer=STMICROELECTRONICS, BMS_Part_Number=9175503, ComponentLink1Description=Datasheet, ComponentLink1URL=http://tunmcdsvn.tun.st.com/Component_Datasheet_Library/Trunk/IC/STM_MPU_12x12_POA_DM00342580_POA12x12, ECCN_EU=TBD, ECCN_US=TBD, Initial_Board_Reference=MB1272, Internal_Part_Number=MCD-00677, Manufacturer_Part_Number=STM32MP157CAC3, Part_Type=IC, Provided_By="SUBCO with ST control", Status="Footprint available"
U14: library part MCD-00267, "HDMI Transmitter, 72-pin 10 × 10 mm QFN", Manufacturer=LATTICE, Manufacturer_Part_Number=SiI9022ACNU, ComponentLink1Description=Datasheet, ComponentLink1URL=http://tunmcdsvn.tun.st.com/Component_Datasheet_Library/Trunk/IC/LATTICE_SiI9022ACNU_HDMI_Transmitter, Initial_Board_Reference=MB1272, Internal_Part_Number=MCD-00267, Part_Type=IC, Provided_By=SUBCO, Status=Checked